# Altium PCB SP7.PcbDoc (part 4 of 4)
Units mm, origin at the board's own origin, x right, y up, seen from the top; angles counter-clockwise.
Board outline 69.1 x 36.6 mm, 6 copper layers (Top, 02_GND, 03_SIG, 04_PWR, 05_SIG, Bottom), stack 1.443 mm thick; 199 components, 178 nets, 906 pads, 778 vias.
Unrouted connection lines stored in the file: 1.
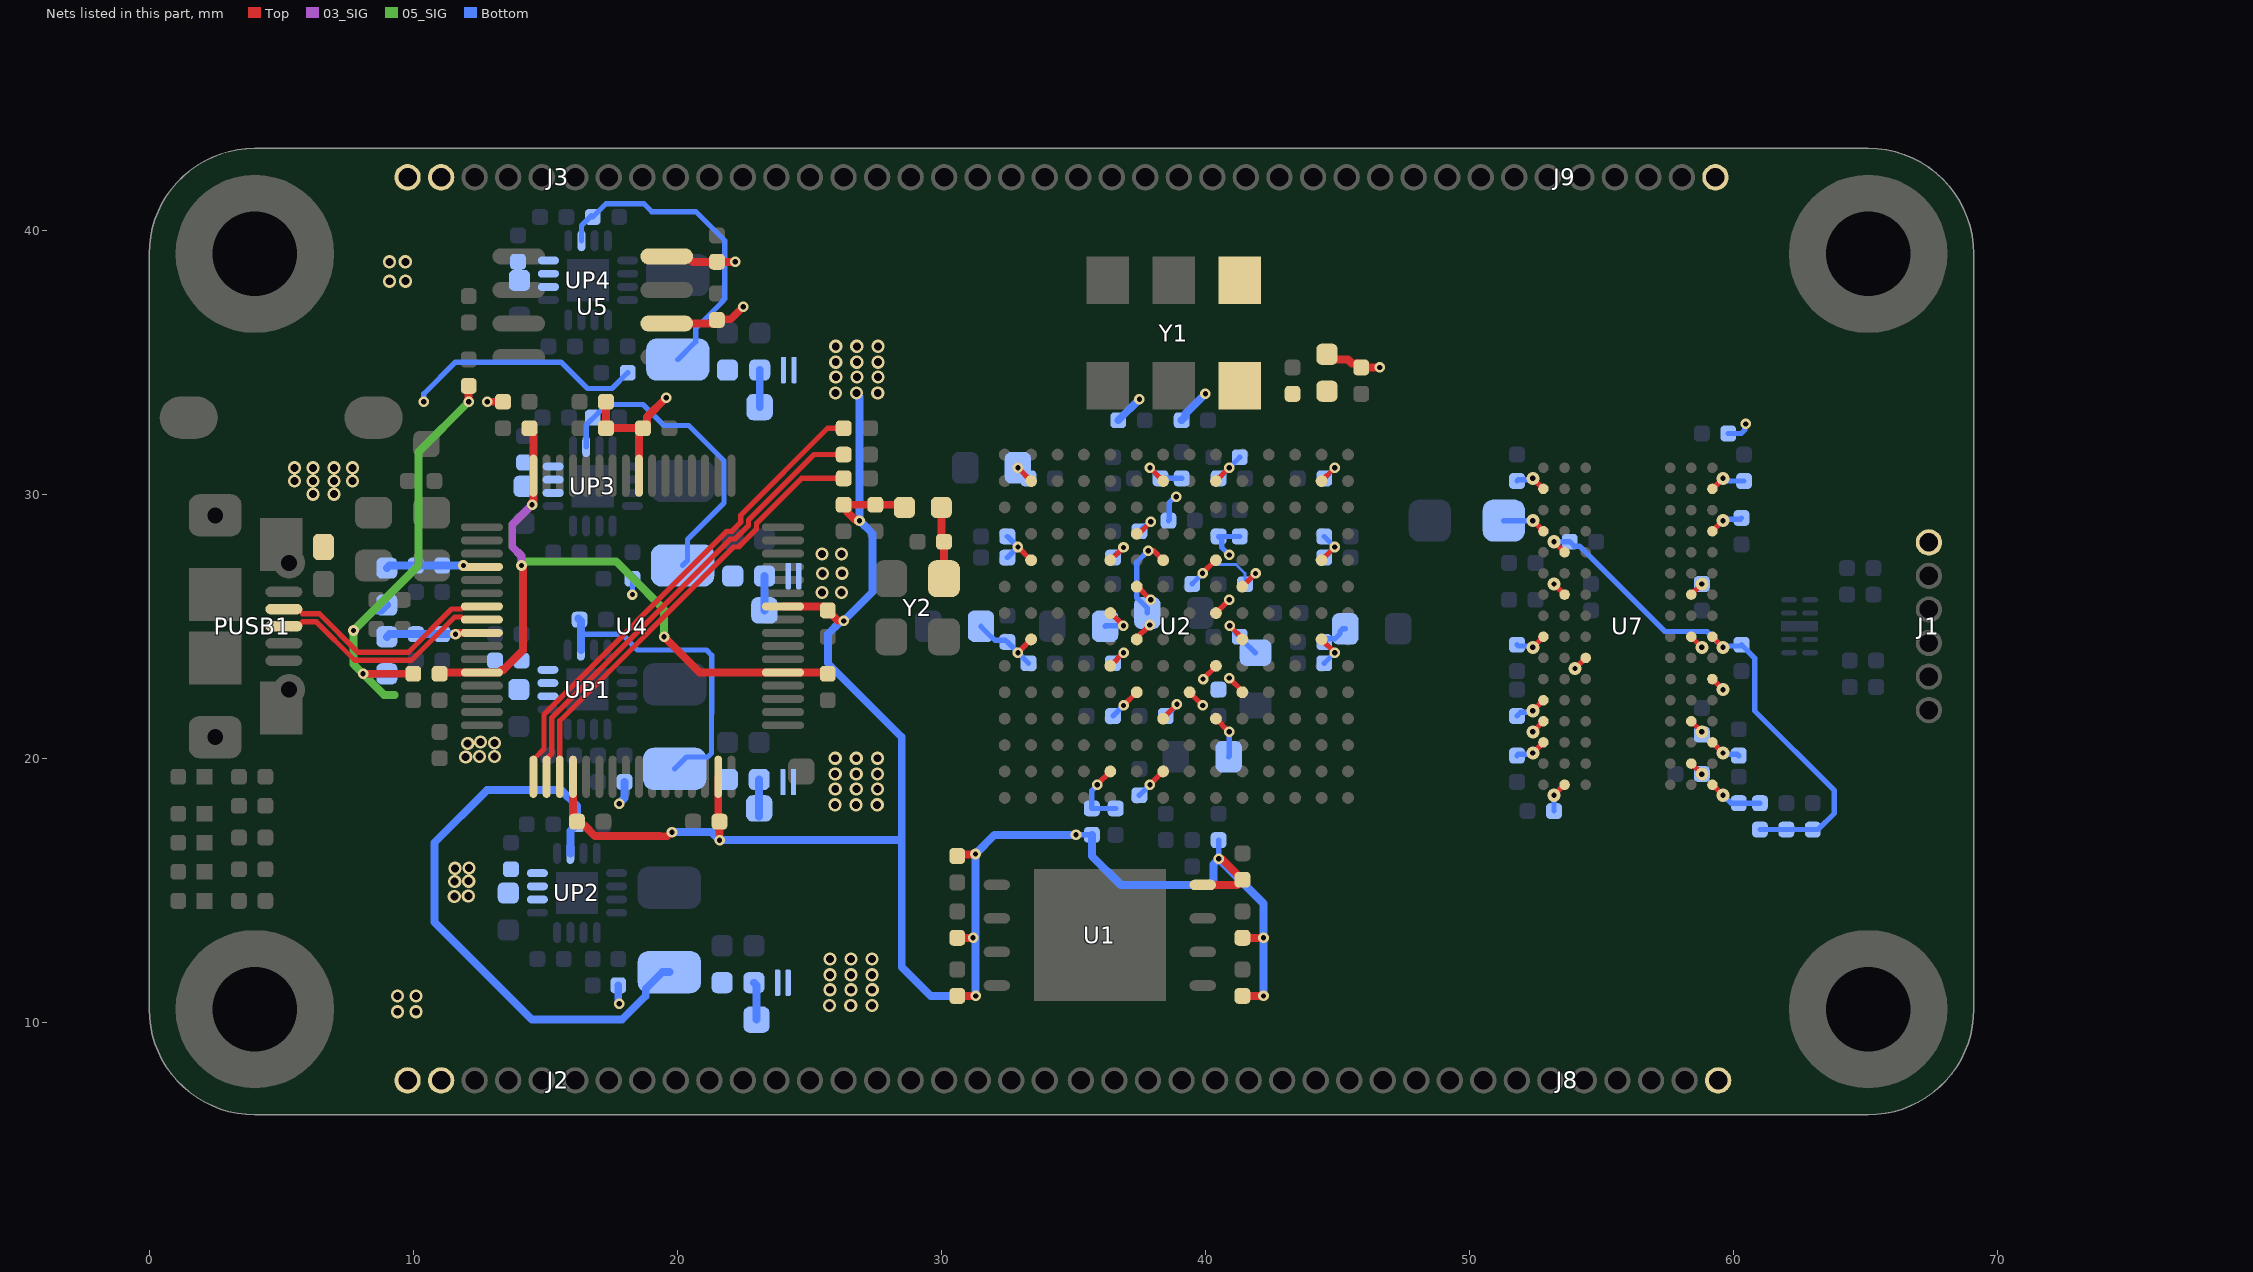
[diagram p8: the nets of this part, all layers, seen from the top]

## Via types
v1: diameter 0.4, hole 0.2, Top to Bottom, tented both sides, 330 vias
v2: diameter 0.5, hole 0.3, Top to Bottom, tented both sides, 183 vias
v3: diameter 0.5/0.5/0.5/0.5 (per signal layer), hole 0.3, Top to Bottom, tented both sides, 138 vias
v4: diameter 0.4/0.5/0.5/0.5 (per signal layer), hole 0.2, Top to Bottom, tented both sides, 91 vias
v5: diameter 0.8, hole 0.5, Top to Bottom, 32 vias
v6: diameter 0.7/0.5/0.5/0.5 (per signal layer), hole 0.5, Top to Bottom, tented both sides, 4 vias

## Nets (pads, with @x,y where several pads share a name; then routed paths per layer and width w, separated by ;. In a path a pad name is that pad's centre, name@x,y a point inside that pad or via, vN(x,y) a via of type N, cw(c..) or ccw(c..) an arc to the next point about the centre after c; other vN are vias at no path point) (continued)
USB_TDI: R32.2 U4.17 | length 18.5
  Top w0.2: U4.17@14.55,19.3 14.583,19.333 14.583,19.983 14.95,20.35 14.95,21.665 21.885,28.6 22.066,28.6 22.4,28.934 22.4,29.2 25.7,32.5 R32.2@26.3,32.5
USB_TDO: R33.2 U4.18 | length 17.6
  Top w0.2: U4.18@15.05,19.3 15.05,19.977 15.25,20.177 15.25,21.54 22.01,28.3 22.19,28.3 22.7,28.81 22.7,29.019 25.181,31.5 R33.2@26.3,31.5
USB_TMS: R34.2 U4.19 | length 16.8
  Top w0.2: U4.19@15.55,19.3 15.55,21.416 22.134,28 22.314,28 23,28.686 23,28.895 24.705,30.6 R34.2@26.3,30.6
USBD_N: PUSB1.2 U4.7 | length 8.9
  Top w0.2: PUSB1.2@5.1,25.65 5.642,25.65 5.817,25.475 6.449,25.475 7.912,24.012 9.812,24.012 11.45,25.65 11.823,25.65 11.923,25.75 U4.7@12.6,25.75
USBD_P: PUSB1.3 U4.8 | length 8.9
  Top w0.2: PUSB1.3@5.1,25 5.642,25 5.817,25.175 6.325,25.175 7.788,23.712 9.936,23.712 11.574,25.35 11.823,25.35 11.923,25.25 U4.8@12.6,25.25
V1V0: C67.2 C68.2 JP2.1 L1.2 R48.2 TP3.1 UP1.14 | length 13.3
  Bottom w0.2: 16.35,24.65 16.4,24.7 17.9,24.7 18.5,24.1 21.1,24.1 21.3,23.9 21.3,21.7 21.293,21.693 21.293,20.191 21.152,20.05 20.35,20.05 L1.2@19.9,19.6
  Bottom w0.3: R48.2@16.251,25.299 R48.2@16.3,25.25 16.35,25.2 16.35,24.65 UP1.14@16.35,24.1 ; TP3.1@23.1,17.8 C68.2@23.1,19.2
V1V5: C76.2 C77.2 JP4.1 L2.2 R51.2 TP4.1 UP2.14 | length 24.2
  Bottom w0.3: UP2.14@15.95,16.4 15.95,17.25 R51.2@16.2,17.5 16.2,18.2 15.6,18.8 12.8,18.8 10.8,16.8 10.8,13.8 14.5,10.1 17.9,10.1 18.804,11.004 18.804,11.269 19.435,11.9 L2.2@19.7,11.9 ; C77.2@22.9,11.5 23,11.4 TP4.1@23,10.1
V1V8: C81.2 C82.2 JP5.1 L3.2 R55.2 TP5.1 UP3.14 | length 13.2
  Bottom w0.2: UP3.14@16.55,31.8 16.55,32.623 17.027,33.1 17.327,33.4 18.7,33.4 19.5,32.6 20.434,32.6 21.767,31.267 21.767,29.667 20.383,28.283 20.383,27.483 L3.2@20.2,27.3
  Bottom w0.3: TP5.1@23.3,25.6 C82.2@23.3,26.9
V3V3: C86.2 C87.2 JP6.1 L4.2 R59.2 TP6.1 UP4.14 | length 13.5
  Bottom w0.2: UP4.14@16.371,39.6 16.371,40.171 R59.2@16.75,40.55 ; R59.2@16.8,40.5 17.3,41 18.734,41 19.034,40.7 20.7,40.7 21.8,39.6 21.8,37.4 21.721,37.321 21.721,37.297 20.7,36.276 20.7,35.777 20.023,35.1 L4.2@20.021,35.1
  Bottom w0.3: TP6.1@23.121,33.3 C87.2@23.121,34.7
VBATT1V8: R8.2 U2.B8 | length 1.3
  Top w0.2: v1(37.9,19) U2.B8@38.4,19.5
  Bottom w0.2: R8.2@37.499,18.6 v1(37.9,19)
VCC1V0: C27.2 C28.2 C29.2 C30.2 C31.2 C32.2 C33.2 C34.2 C35.2 JP2.2 U2.D6 U2.D8 U2.E5 U2.E7 U2.E9 U2.F6 U2.G5 U2.G9 U2.H6 U2.J5 U2.J9 U2.K6 U2.K8 | length 19
  Top w0.2: v1(36.9,22) U2.E9@37.4,22.5 ; U2.G9@37.396,24.548 v1(37.896,25.048) ; U2.J9@37.428,26.501 v1(37.928,26.001) ; v1@37.8,27.9 v1(37.838,27.862) 38.038,27.862 U2.K8@38.4,27.5 ; U2.D8@38.422,21.544 v1(38.922,22.045) ; U2.E7@39.4,22.5 v1(39.9,22) ; v1(39.892,27.012) U2.K6@40.392,27.512 ; v1(39.911,23) U2.F6@40.411,23.5 ; U2.D6@40.4,21.5 v1(40.9,21) ; U2.H6@40.4,25.5 v1(40.9,26) ; v1(40.898,23.038) U2.E5@41.398,22.538 ; v1(40.92,25.02) U2.G5@41.42,24.52 ; U2.J5@41.4,26.5 v1(41.9,27)
  Bottom w0.1: v1(39.892,27.012) 40.219,27.339 41.161,27.339 41.499,27.001 41.499,26.594 C35.2@41.499,26.588
  Bottom w0.2: C31.2@36.5,21.6 v1(36.9,22) ; C27.2@37.8,25.5 37.8,25.681 37.4,26.081 37.4,27.423 v1(37.838,27.862) ; C32.2@38.5,21.6 38.922,22.022 v1(38.922,22.045) ; C30.2@39.5,26.6 39.5,26.61 39.892,27.002 v1(39.892,27.012) ; C29.2@40.879,20.062 40.9,20.083 v1(40.9,21) ; v1(40.92,25.02) 40.92,24.98 41.411,24.489 41.411,24.47 41.881,24 C28.2@41.9,24 ; C35.2@41.499,26.594 41.9,26.995 v1(41.9,27)
  other v3: 25.969,18.237 26.769,18.237 27.569,18.237 25.981,18.834 26.781,18.834 27.581,18.834 25.979,19.4 26.779,19.4 27.579,19.4 25.979,20 26.779,20 27.579,20
VCC1V5: C91.2 C92.2 C93.2 C94.2 C95.2 C96.2 C97.2 C98.2 C99.2 C100.2 C101.2 C102.2 C103.2 JP4.2 R62.2 R64.2 U7.A1 U7.A8 U7.B2 U7.C1 U7.C9 U7.D2 U7.D9 U7.E9 U7.F1 U7.G7 U7.H2 U7.H9 U7.K2 U7.K8 U7.N1 U7.N9 U7.R1 U7.R9 | length 19.2
  Top w0.2: v4(52.4,20.2) U7.C9@52.8,20.6 ; v4(52.4,21) U7.D9@52.8,21.4 ; v4(52.4,21.8) U7.E9@52.8,22.2 ; v4(52.4,24.2) U7.H9@52.8,24.6 ; v4(52.4,29) U7.N9@52.8,28.6 ; v4(52.4,30.6) U7.R9@52.8,30.2 ; v4(53.2,18.6) U7.A8@53.6,19 ; v4(53.2,26.6) U7.K8@53.6,26.2 ; v4(54,23.4) U7.G7@54.4,23.8 ; U7.B2@58.4,19.8 v4(58.8,19.4) ; U7.D2@58.4,21.4 v4(58.8,21) ; U7.H2@58.4,24.6 v4(58.8,24.2) ; U7.K2@58.4,26.2 v4(58.8,26.6) ; U7.A1@59.2,19 v4(59.6,18.6) ; U7.C1@59.2,20.6 v4(59.6,20.2) ; U7.F1@59.2,23 v4(59.6,22.6) ; U7.N1@59.2,28.6 v4(59.6,29) ; U7.R1@59.2,30.2 v4(59.6,30.6)
  Bottom w0.2: C91.2@51.3,29 v4(52.4,29) ; C94.2@51.8,20.1 51.85,20.15 52.35,20.15 v4(52.4,20.2) ; C95.2@51.8,21.6 51.943,21.743 52.343,21.743 v4(52.4,21.8) ; C96.2@51.8,24.3 51.85,24.25 52.35,24.25 v4(52.4,24.2) ; C92.2@51.8,30.5 51.85,30.55 52.35,30.55 v4(52.4,30.6) ; C97.2@53.2,18 v4(53.2,18.6) ; v4(59.6,18.6) 59.9,18.3 R62.2@61,18.3 ; v4(59.6,20.2) 59.65,20.15 60.15,20.15 C99.2@60.2,20.1 ; v4(59.6,29) 59.65,29.05 60.25,29.05 C103.2@60.3,29.1 ; v4(59.6,30.6) 59.681,30.6 59.781,30.5 C102.2@60.4,30.5 ; R64.2@59.8,32.3 60.291,32.3 60.422,32.431 60.422,32.622 v1(60.461,32.661)
  other v3: 25.769,10.637 26.569,10.637 27.369,10.637 25.781,11.234 26.581,11.234 27.381,11.234 25.779,11.8 26.579,11.8 27.379,11.8 25.779,12.4 26.579,12.4 27.379,12.4
VCC1V8: C11.2 C12.2 C13.2 C14.2 JP5.2 U2.F10 U2.H10 U2.K10 U2.L9 | length 5.2
  Top w0.2: U2.H10@36.397,25.524 v1(36.897,25.024) ; U2.K10@36.397,27.486 v1(36.897,27.986) ; U2.F10@36.4,23.5 v1(36.9,24) ; U2.L9@37.428,28.457 v1(37.928,28.957)
  Bottom w0.2: C11.2@36.2,25 36.224,25.024 v1(36.897,25.024) ; C13.2@36.5,23.6 v1(36.9,24) ; C12.2@36.5,27.6 36.506,27.6 36.891,27.986 v1(36.897,27.986) ; C14.2@37.5,28.6 37.527,28.6 37.884,28.957 v1(37.928,28.957)
  other v3: 25.475,26.275 26.217,26.273 25.5,27 26.234,27.008 25.48,27.732 26.224,27.732
VCC3V3: C1.2 C3.2 C4.2 C5.2 C6.2 C8.2 C9.2 C15.2 C16.2 C17.2 C18.2 C19.2 C20.2 C21.2 C22.2 C23.2 C24.2 C25.2 C26.2 C52.2 C53.2 C56.2 C57.2 C58.2 C59.2 FB1.1 FB2.1 FB3.2 FB4.2 J1.1 J2.2 J3.9 J8.10 J9.1 JP6.2 R2.1 R11.1 R12.1 R13.1 R14.1 R15.1 R16.1 R17.1 R18.1 R19.2 R20.1 R21.1 R22.1 R23.1 R36.2 R39.2 R43.2 R44.2 R45.1 U1.8 U2.G2 U2.G13 U2.K2 U2.K13 U2.N2 U2.N6 U2.N8 U2.N13 U4.20 U4.31 U4.42 U4.56 U5.6 U5.8 | length 133.5
  Top w0.2: v1(32.9,24) U2.G13@33.4,24.5 ; v1(32.9,28) U2.K13@33.4,27.5 ; v1(32.9,31) U2.N13@33.4,30.5 ; v1(37.9,31) U2.N8@38.4,30.5 ; U2.N6@40.4,30.5 v1(40.9,31) ; U2.G2@44.4,24.5 v1(44.9,24) ; U2.K2@44.4,27.5 v1(44.9,28) ; U2.N2@44.4,30.5 v1(44.9,31)
  Top w0.3: v1(8.1,23.2) R39.2@10,23.2 ; v1(12.1,33.5) R36.2@12.1,34.1 ; v1(12.8,33.5) R43.2@13.4,33.5 ; U4.20@16.05,19.3 16.05,17.75 C59.2@16.2,17.6 16.35,17.45 16.484,17.45 16.884,17.05 19.323,17.05 19.327,17.046 19.619,17.046 ; R44.2@17.3,33.5 R45.1@17.3,32.5 C56.2@18.7,32.5 ; U4.56@18.55,30.7 18.55,32.174 18.55,32.35 C56.2@18.7,32.5 ; v1(19.581,33.654) 18.85,32.923 18.85,32.65 C56.2@18.7,32.5 ; U5.6@19.6,36.466 21.366,36.466 C53.2@21.5,36.6 21.524,36.624 22.024,36.624 v1(22.5,37.1) ; U5.8@19.6,39.006 20.381,39.006 20.587,38.8 C52.2@21.5,38.8 v1(22.2,38.8) ; U4.31@21.55,19.3 21.55,17.65 C58.2@21.6,17.6 v1(21.6,16.9) ; U4.42@24,25.75 25.374,25.75 25.55,25.75 C57.2@25.7,25.6 26.081,25.219 ; v1(26.9,29) 26.881,29.019 26.747,29.019 26.45,29.316 26.45,29.45 R19.2@26.3,29.6 C9.2@27.5,29.6 28.5,29.6 FB2.1@28.6,29.5 ; R22.1@30.6,11 v1(31.3,11) ; R20.1@30.6,13.2 v1(31.2,13.2) ; R15.1@30.6,16.3 30.66,16.36 31.277,16.36 v1(31.293,16.376) ; U1.8@39.9,15.205 41.205,15.205 C8.2@41.4,15.4 40.619,16.181 40.519,16.181 v1(40.5,16.2) ; R18.1@41.4,11 v1(42.2,11) ; R23.1@41.4,13.2 v1(42.2,13.2) ; FB1.1@44.6,35.3 44.8,35.1 45.4,35.1 45.55,34.95 45.75,34.95 45.8,34.9 C1.2@45.8,34.7 ; C1.2@45.9,34.8 v1(46.6,34.8)
  05_SIG w0.3: 9.3,22.4 8.9,22.4 v1(8.1,23.2) 7.738,23.562 v1(7.738,24.838) 10.2,27.3 10.2,31.6 v1(12.1,33.5)
  Bottom w0.2: C3.2@31.5,25 31.5,24.981 31.889,24.593 31.907,24.593 32.032,24.468 32.432,24.468 C17.2@32.5,24.4 v1(32.9,24) ; C19.2@32.5,27.6 v1(32.9,28) C16.2@32.5,28.4 ; v1(32.9,24) C18.2@33.3,23.6 ; v1(35.1,17.1) R2.1@35.7,17.1 ; v1(37.9,31) C5.2@38.3,30.6 C4.2@39.1,30.6 ; R16.1@38.6,28.999 38.631,29.03 38.631,29.683 38.848,29.9 v1(38.9,29.9) ; v1(40.5,16.2) R12.1@40.5,16.9 ; C6.2@40.5,30.6 R17.1@41.3,31.401 ; v1(40.9,27.7) 40.619,27.981 40.619,28.282 R21.1@40.501,28.4 R11.1@41.3,28.4 ; C24.2@44.5,23.6 v1(44.9,24) C22.2@44.5,24.4 44.625,24.525 44.911,24.525 45.1,24.714 45.1,24.8 45.2,24.9 C21.2@45.3,24.9 ; C25.2@44.5,27.6 v1(44.9,28) C23.2@44.5,28.4 ; C26.2@44.5,30.6 v1(44.9,31)
  Bottom w0.3: v1(7.738,24.838) 8.49,25.59 8.79,25.59 FB4.2@9,25.8 ; v1(8.1,23.2) FB3.2@9,23.2 ; v1(19.8,17.2) 21.3,17.2 v1(21.6,16.9) 28.5,16.9 ; v3(26.791,33.837) 26.791,33.783 26.9,33.674 v1(26.9,29) 27.4,28.5 27.4,26.307 26.3,25.207 v1(26.3,25.2) 26.281,25.181 26.181,25.181 25.7,24.7 25.7,23.6 28.5,20.8 28.5,16.9 ; v1(35.1,17.1) 32.017,17.1 v1(31.293,16.376) 31.293,11.007 v1(31.3,11) 29.6,11 28.5,12.1 28.5,16.9 ; R2.1@35.7,17.1 35.7,16.3 36.8,15.2 40.124,15.2 40.3,15.376 40.3,15.974 40.5,16.174 v1(40.5,16.2) 42.2,14.5 v1(42.2,13.2) v1(42.2,11) ; R14.1@36.7,32.799 v1(37.5,33.6) ; R13.1@39.1,32.8 39.25,32.95 39.25,33.05 v1(40,33.8)
  other v3: 9.4,10.4 10.1,10.4 9.4,11 10.1,11 25.991,33.837 27.591,33.837 26.003,34.434 26.803,34.434 27.603,34.434 26,35 26.8,35 27.6,35 26,35.6 26.8,35.6 27.6,35.6
VCC5V0: C73.2 C74.1 C78.2 C79.1 C83.2 C84.1 C88.2 C89.1 F1.2 J2.1 J3.10 R46.1 R47.1 R50.1 R54.1 R58.1 UP1.10 UP1.11 UP1.12 UP2.10 UP2.11 UP2.12 UP3.10 UP3.11 UP3.12 UP4.10 UP4.11 UP4.12 | length 11.4
  Bottom w0.2: v1(10.4,33.5) 10.404,33.504 10.404,33.804 11.6,35 15.6,35 16.6,34 17.522,34 R58.1@18.121,34.6 ; v1(18.3,26.2) R54.1@18.3,26.8
  Bottom w0.3: R50.1@17.766,11.4 17.766,10.761 17.8,10.727 v1(17.8,10.7) ; v1(17.8,18.276) 17.8,18.3 18,18.5 R47.1@18,19.1
  other v3: 11.557,14.769 12.087,14.784 11.57,15.331 12.1,15.346 11.583,15.832 12.113,15.846 11.986,20.047 12.511,20.067 13.076,20.064 12.063,20.56 13.082,20.582 12.546,20.616 6.2,30 7,30 5.5,30.5 6.2,30.5 7,30.5 7.7,30.5 5.5,31 6.2,31 7,31 7.7,31 9.107,38.065 9.703,38.068 9.1,38.8 9.7,38.8
VOSC2: C2.2 FB1.2 Y1.1 Y1.6
VOSC3V3: C10.2 FB2.2 Y2.4 | length 2.7
  Top w0.3: FB2.2@30,29.5 30,28.3 C10.2@30.1,28.2 Y2.4@30.1,26.8
VPHY: C63.2 C64.2 FB4.1 U4.4 | length 3.7
  Top w0.3: v1(11.9,27.3) 11.95,27.25 U4.4@12.6,27.25
  Bottom w0.3: FB4.1@9,27.2 9.1,27.3 C64.2@10.1,27.3 C63.2@11.1,27.3 v1(11.9,27.3)
VPLL: C65.2 C66.2 FB3.1 U4.9 | length 3.7
  Top w0.3: v1(11.6,24.7) 11.627,24.7 11.677,24.75 U4.9@12.6,24.75
  Bottom w0.3: FB3.1@9,24.6 9.1,24.7 C65.2@11.1,24.7 v1(11.6,24.7)
VTTREF: C104.2 C105.2 C106.2 R62.1 R63.2 U7.H1 U7.M8 | length 20.8
  Top w0.2: v4(53.2,28.2) U7.M8@53.6,27.8 ; U7.H1@59.2,24.6 v4(59.6,24.2)
  Bottom w0.2: v4(53.2,28.2) C104.2@53.8,28.2 53.968,28.032 54.168,28.032 57.4,24.8 59,24.8 v4(59.6,24.2) 59.65,24.25 60.25,24.25 C105.2@60.3,24.3 60.8,23.8 60.8,21.8 63.817,18.783 63.817,17.917 63.2,17.3 R63.2@63,17.3 C106.2@62,17.3 R62.1@61,17.3
VUSBC: C60.2 C61.2 C62.2 U4.12 U4.37 U4.64 | length 26.5
  Top w0.3: C62.2@11,23.2 11.05,23.25 U4.12@12.6,23.25 13.25,23.25 13.35,23.35 13.416,23.35 14.15,24.084 14.15,27.223 14.1,27.273 v1(14.1,27.3) ; C61.2@14.4,32.5 14.55,32.35 U4.64@14.55,30.7 14.55,29.75 14.519,29.719 14.519,29.619 v1(14.5,29.6) ; v1(19.5,24.6) 20.85,23.25 U4.37@24,23.25 25.65,23.25 C60.2@25.7,23.2
  03_SIG w0.3: v1(14.1,27.3) 14.1,27.664 13.75,28.014 13.75,28.85 v1(14.5,29.6)
  05_SIG w0.3: v1(14.1,27.3) 14.127,27.3 14.277,27.45 17.686,27.45 18.218,26.918 19.5,25.636 v1(19.5,24.6)
XPUDC: R2.2 R4.2 U2.B10 | length 2.6
  Top w0.2: v1(35.9,19) U2.B10@36.4,19.5
  Bottom w0.2: v1(35.9,19) 35.9,18.983 35.7,18.783 R2.2@35.7,18.1 R4.2@36.6,18.1
pads on no net: M1.1 M2.1 M3.1 M4.1 PUSB1.4 U1.9 U2.A10 U2.E11 U2.H7 U2.J7 U4.21 U4.22 U4.23 U4.24 U4.26 U4.27 U4.28 U4.29 U4.30 U4.32 U4.33 U4.34 U4.49 U4.50 U4.57 U4.58 U6.6 U6.7 U6.9 U6.10 U7.J1 U7.J9 U7.L1 U7.L9 U7.M7 Y1.2
copper on no net:
  other v5: 4,8.1 65.1,8.1 2.303,8.803 5.697,8.803 63.403,8.803 66.797,8.803 1.6,10.5 6.4,10.5 62.7,10.5 67.5,10.5 2.303,12.197 5.697,12.197 63.403,12.197 66.797,12.197 4,12.9 65.1,12.9 4,36.7 65.1,36.7 2.303,37.403 5.697,37.403 63.403,37.403 66.797,37.403 1.6,39.1 6.4,39.1 62.7,39.1 67.5,39.1 2.303,40.797 5.697,40.797 63.403,40.797 66.797,40.797 4,41.5 65.1,41.5

## Polygon pours and split planes (outlines as drawn)
GND on Bottom "GND_L06_P000" (solid, remove dead copper, pour order 0): 0,43.1 0,6.5 69.1,6.5 69.1,43.1
GND on Top "GND_L01_P001" (solid, remove dead copper, pour order 1): 0,43.1 69.1,43.1 69.1,6.5 0,6.5
GND on 05_SIG "GND_L05_P002" (solid, remove dead copper, pour order 2): 69.1,43.2 -0.1,43.2 -0.1,6.5 0.1,6.3 69.2,6.3
GND on 03_SIG "GND_L03_P003" (solid, remove dead copper, pour order 3): 69.1,43.2 -0.1,43.2 -0.1,6.5 69,6.5 69.1,6.6
VCC3V3 on 04_PWR (split plane): 65.356,42.691 65.612,42.663 65.865,42.617 66.114,42.554 66.358,42.473 66.595,42.374 66.825,42.259 67.046,42.128 67.257,41.982 67.457,41.82 67.645,41.645 67.82,41.457 67.981,41.257 68.128,41.046 68.259,40.825 68.374,40.595 68.472,40.358 68.554,40.114 68.617,39.865 68.663,39.612 68.69,39.357 68.699,39.112 68.698,39.1 68.698,39.099 68.698,39.098 68.698,38.999 68.698,10.5 68.699,10.487 68.691,10.243 68.663,9.988 68.617,9.735 68.554,9.486 68.473,9.242 68.374,9.005 68.259,8.775 68.128,8.554 67.982,8.343 67.82,8.143 67.645,7.955 67.457,7.779 67.257,7.618 67.046,7.472 66.825,7.341 66.595,7.226 66.358,7.127 66.114,7.046 65.865,6.982 65.612,6.937 65.357,6.909 65.112,6.901 65.1,6.902 56.151,6.902 56.151,8.337 61.507,13.693 61.531,13.724 61.546,13.761 61.551,13.8 61.551,32.7 61.546,32.739 61.531,32.776 61.507,32.807 60.507,33.807 60.476,33.831 60.461,33.837 60.439,33.846 60.4,33.851 52.8,33.851 52.761,33.846 52.724,33.831 52.693,33.807 50.293,31.407 50.269,31.376 50.254,31.339 50.249,31.3 50.249,19.663 45.937,15.351 42.651,15.351 42.651,27.1 42.646,27.139 42.631,27.176 42.607,27.207 42.307,27.507 42.276,27.531 42.239,27.546 42.2,27.551 40.663,27.551 39.707,28.507 39.676,28.531 39.639,28.546 39.6,28.551 38.651,28.551 38.651,29.9 38.646,29.939 38.631,29.976 38.607,30.007 38.576,30.031 38.539,30.046 38.5,30.051 36.2,30.051 36.161,30.046 36.139,30.037 36.124,30.031 36.093,30.007 33.293,27.207 33.269,27.176 33.254,27.139 33.249,27.1 33.249,23.963 33.037,23.751 31.763,23.751 26.607,28.907 26.576,28.931 26.539,28.946 26.5,28.951 16.063,28.951 10.351,34.663 10.351,42.698 65.1,42.698 65.112,42.699
VCC5V0 on 04_PWR (split plane): 4,42.698 10.049,42.698 10.049,34.6 10.054,34.561 10.069,34.524 10.093,34.493 15.893,28.693 15.924,28.669 15.939,28.663 15.961,28.654 16,28.649 18.849,28.649 18.849,15.341 18.824,15.331 18.793,15.307 18.769,15.276 18.754,15.239 18.749,15.2 18.754,15.161 18.769,15.124 18.793,15.093 18.824,15.069 18.849,15.059 18.849,6.902 4,6.902 3.987,6.901 3.743,6.909 3.488,6.937 3.235,6.983 2.986,7.046 2.742,7.127 2.505,7.226 2.275,7.341 2.054,7.472 1.843,7.618 1.643,7.779 1.455,7.955 1.279,8.143 1.118,8.343 0.972,8.554 0.841,8.775 0.726,9.005 0.627,9.242 0.546,9.486 0.483,9.735 0.437,9.988 0.409,10.243 0.401,10.487 0.402,10.5 0.402,39.1 0.401,39.113 0.409,39.357 0.437,39.612 0.483,39.865 0.546,40.114 0.627,40.358 0.726,40.595 0.841,40.825 0.972,41.046 1.118,41.257 1.279,41.457 1.455,41.645 1.643,41.821 1.843,41.982 2.054,42.128 2.275,42.259 2.505,42.374 2.742,42.473 2.986,42.554 3.235,42.617 3.488,42.663 3.743,42.691 3.987,42.699
VCC1V5 on 04_PWR (split plane): 61.249,32.637 61.249,13.863 55.893,8.507 55.869,8.476 55.854,8.439 55.849,8.4 55.849,6.902 19.151,6.902 19.151,15.049 46,15.049 46.039,15.054 46.076,15.069 46.107,15.093 50.507,19.493 50.531,19.524 50.546,19.561 50.551,19.6 50.551,31.237 52.863,33.549 60.337,33.549
VCC1V8 on 04_PWR (split plane): 38.349,28.551 37.8,28.551 37.761,28.546 37.739,28.537 37.724,28.531 37.693,28.507 37.193,28.007 37.169,27.976 37.163,27.961 37.154,27.939 37.149,27.9 37.149,23.463 34.337,20.651 19.151,20.651 19.151,28.649 26.437,28.649 31.593,23.493 31.624,23.469 31.661,23.454 31.7,23.449 33.1,23.449 33.139,23.454 33.176,23.469 33.207,23.493 33.507,23.793 33.531,23.824 33.546,23.861 33.551,23.9 33.551,27.037 36.263,29.749 38.349,29.749
VCC1V0 on 04_PWR (split plane): 40.493,27.293 40.524,27.269 40.561,27.254 40.6,27.249 42.137,27.249 42.349,27.037 42.349,15.351 19.151,15.351 19.151,20.349 34.4,20.349 34.439,20.354 34.461,20.363 34.476,20.369 34.507,20.393 37.407,23.293 37.431,23.324 37.446,23.361 37.451,23.4 37.451,27.837 37.863,28.249 39.537,28.249
GND on 02_GND (split plane): 65.356,42.691 65.612,42.663 65.865,42.617 66.114,42.554 66.358,42.473 66.595,42.374 66.825,42.259 67.046,42.128 67.257,41.982 67.457,41.82 67.645,41.645 67.82,41.457 67.981,41.257 68.128,41.046 68.259,40.825 68.374,40.595 68.472,40.358 68.554,40.114 68.617,39.865 68.663,39.612 68.69,39.357 68.699,39.112 68.698,39.1 68.698,39.099 68.698,39.098 68.698,38.999 68.698,10.5 68.699,10.487 68.691,10.243 68.663,9.988 68.617,9.735 68.554,9.486 68.473,9.242 68.374,9.005 68.259,8.775 68.128,8.554 67.982,8.343 67.82,8.143 67.645,7.955 67.457,7.779 67.257,7.618 67.046,7.472 66.825,7.341 66.595,7.226 66.358,7.127 66.114,7.046 65.865,6.982 65.612,6.937 65.357,6.909 65.112,6.901 65.1,6.902 4,6.902 3.987,6.901 3.743,6.909 3.488,6.937 3.235,6.983 2.986,7.046 2.742,7.127 2.505,7.226 2.275,7.341 2.054,7.472 1.843,7.618 1.643,7.779 1.455,7.955 1.279,8.143 1.118,8.343 0.972,8.554 0.841,8.775 0.726,9.005 0.627,9.242 0.546,9.486 0.483,9.735 0.437,9.988 0.409,10.243 0.401,10.487 0.402,10.5 0.402,39.1 0.401,39.113 0.409,39.357 0.437,39.612 0.483,39.865 0.546,40.114 0.627,40.358 0.726,40.595 0.841,40.825 0.972,41.046 1.118,41.257 1.279,41.457 1.455,41.645 1.643,41.821 1.843,41.982 2.054,42.128 2.275,42.259 2.505,42.374 2.742,42.473 2.986,42.554 3.235,42.617 3.488,42.663 3.743,42.691 3.987,42.699 4,42.698 65.1,42.698 65.112,42.699